# Altium PCB LimeSDR-Micro_1v0.PcbDoc (part 4 of 8) (continued)
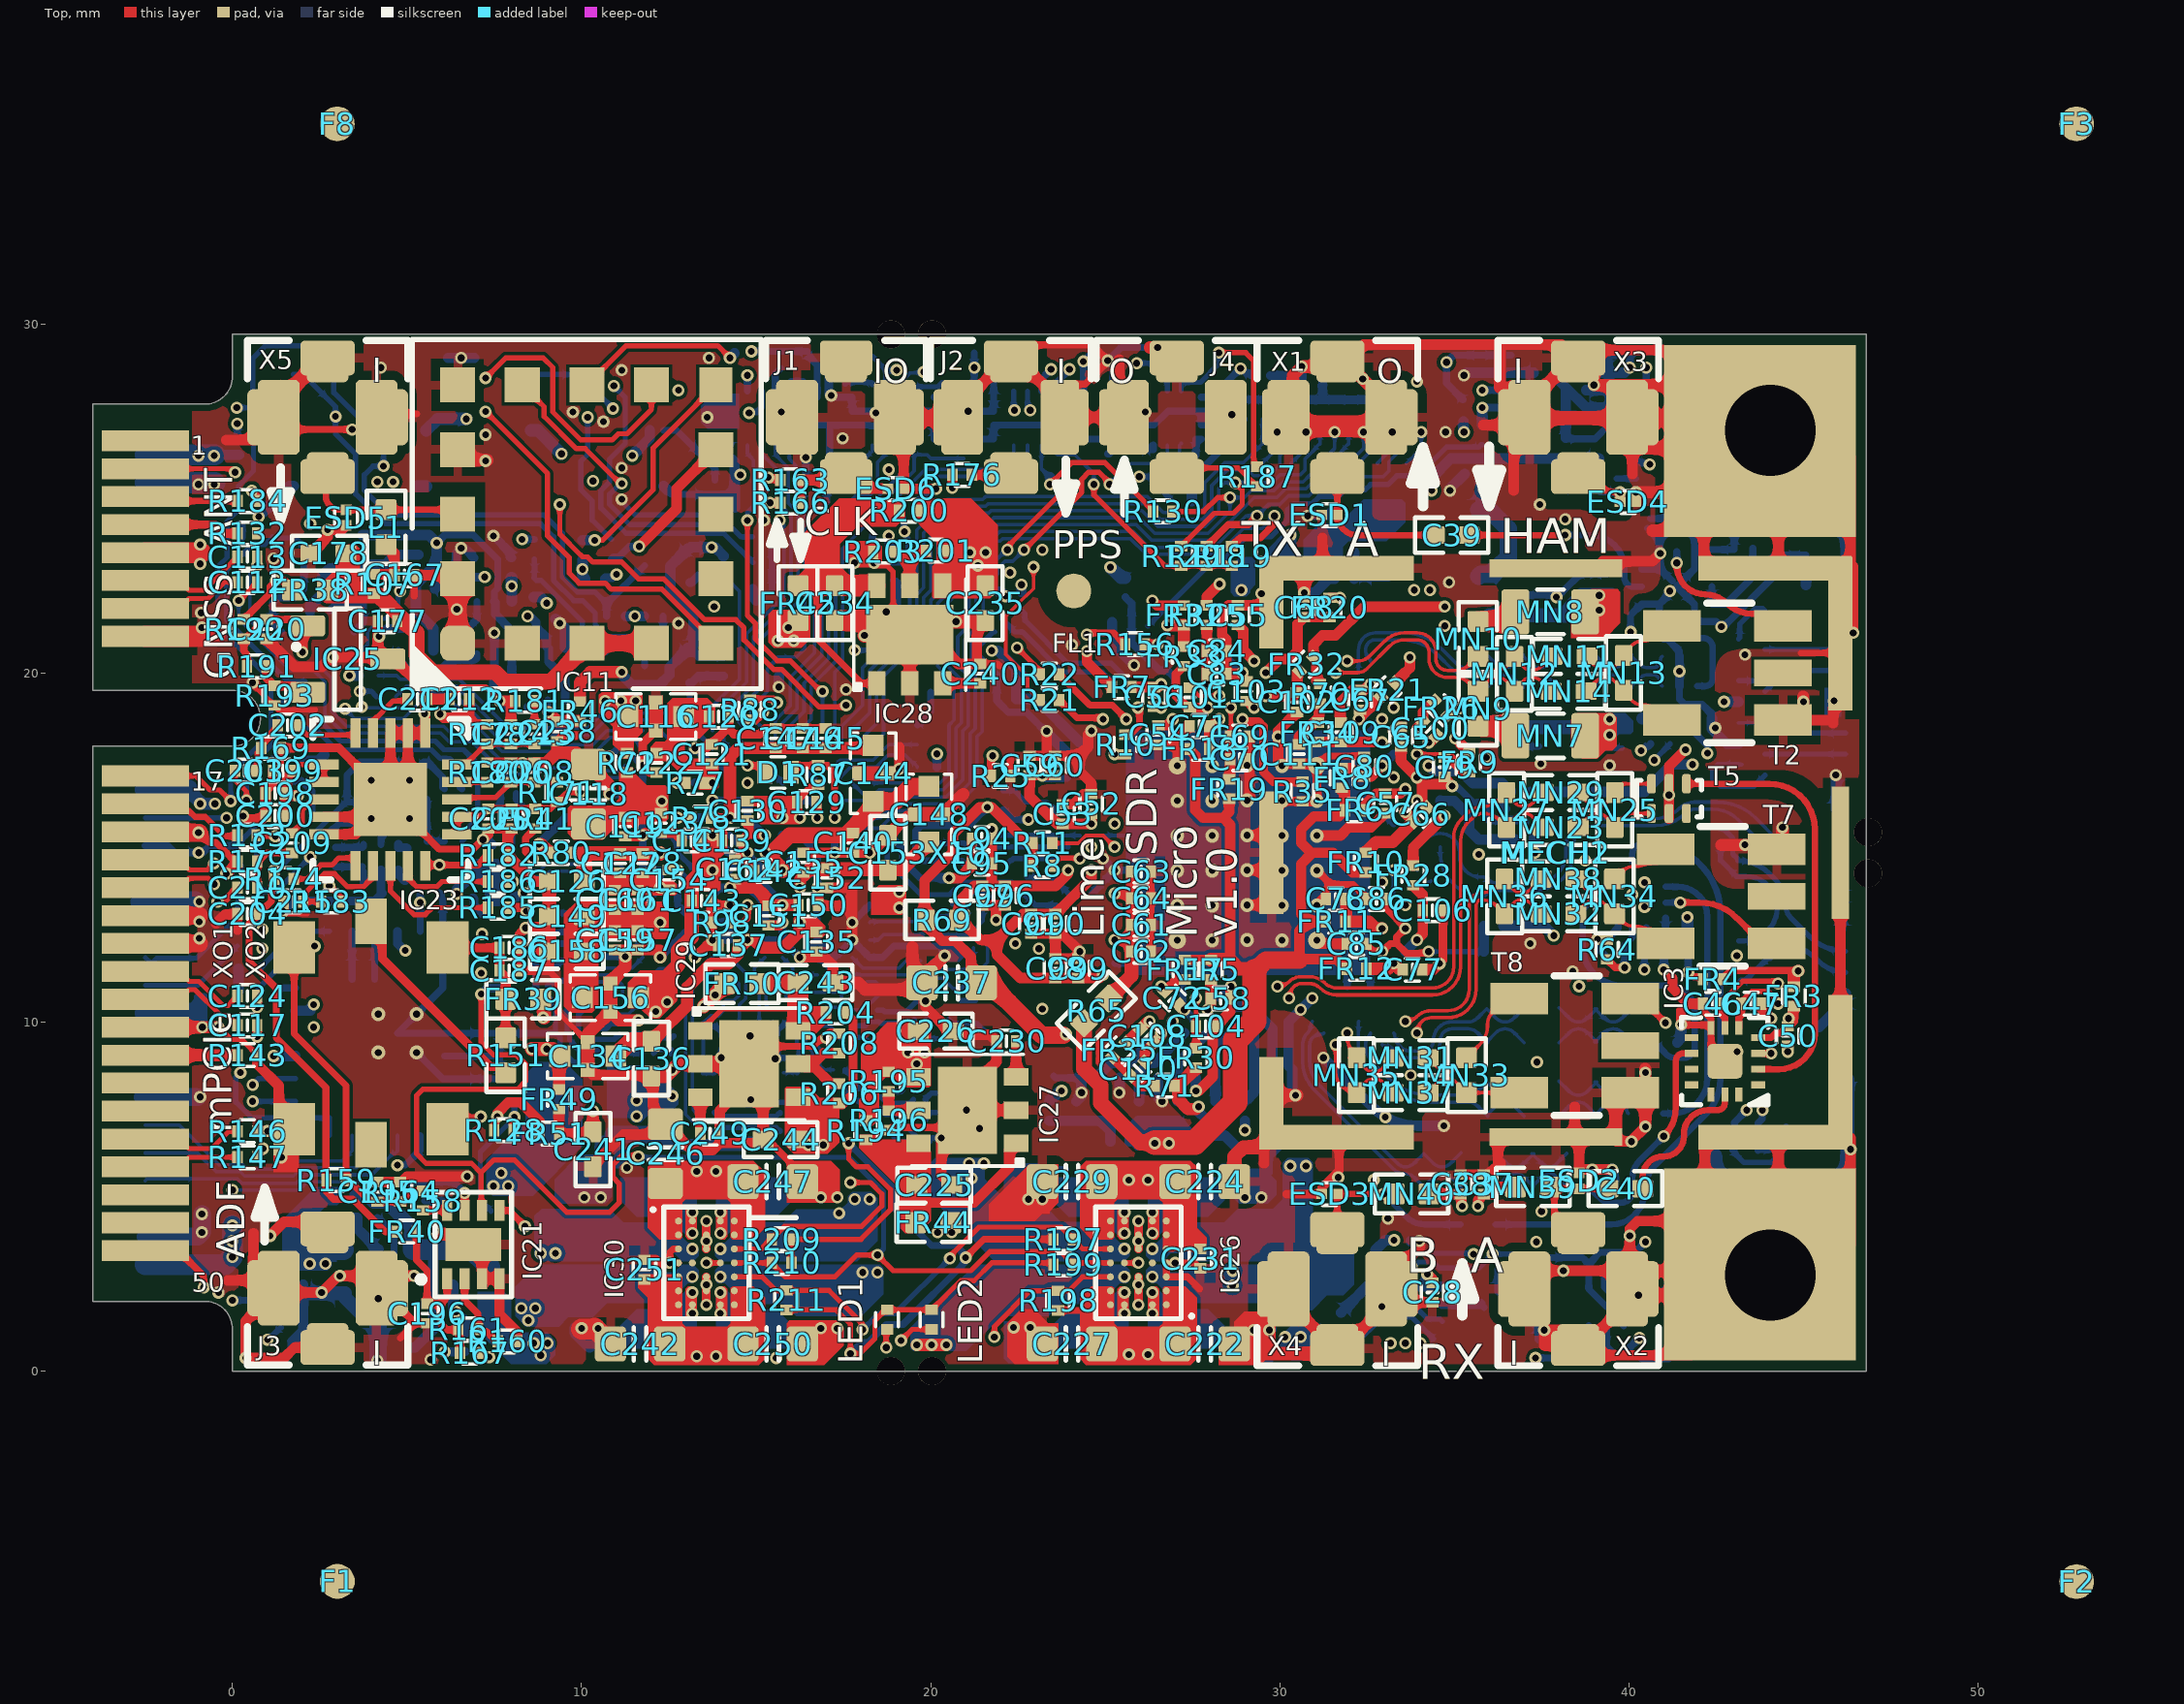
[diagram p0: Top view]
## Nets (pads, with @x,y where several pads share a name; then routed paths per layer and width w, separated by ;. In a path a pad name is that pad's centre, name@x,y a point inside that pad or via, vN(x,y) a via of type N, cw(c..) or ccw(c..) an arc to the next point about the centre after c; other vN are vias at no path point) (continued)
  Bottom w0.18: 39.65,25.57 R62.2@40.2,25.57
  Bottom w0.2: 2.634,15.296 2.867,15.53 2.899,15.53 3.059,15.69 3.23,15.69 C192.1@3.28,15.74 ; IC15.PAD@3.425,11.225 IC15.2@3.425,12.6 ; IC15.PAD@4.075,11.225 IC15.3@4.075,12.6 ; R192.2@4.15,4.4 4.625,3.925 IC24.PAD@4.625,2.671 ; v4(5.075,16.925) 5.075,16.997 5.43,17.352 5.43,17.4 C183.1@5.48,17.45 5.587,17.45 6.025,17.012 6.025,16.725 IC16.2@6.075,16.675 ; v3(5.275,9.125) 6.025,8.375 IC15.13@7.65,8.375 IC15.12@7.65,9.025 ; C194.2@5.5,4.875 R168.2@6.175,4.875 ; C181.2@5.935,13.705 5.985,13.655 5.985,13.553 6.025,13.513 IC15.6@6.025,12.6 6.025,10.975 IC15.PAD@4.725,9.675 IC15.11@7.65,9.675 IC15.12@7.65,9.025 ; IC15.PAD@6.075,9.025 IC15.12@7.65,9.025 ; IC15.11@7.725,9.675 9.25,9.675 ; v1(8.5,12.125) 8.69,11.935 R102.2@8.69,11.6 R101.2@8.69,11.05 8.69,10.915 8.862,10.742 8.998,10.742 9.25,10.49 ; R100.2@9.01,12.245 10.205,12.245 10.575,11.875 v1(11.251,11.875) ; R29.2@10.25,9.84 C9.2@10.7,9.84 10.835,9.975 11.55,9.975 v1(11.625,10.05) ; v1(10.8,16.525) 11.076,16.525 IC6.L1@11.251,16.35 IC6.M2@11.751,16.85 v1(11.751,17.35) ; v1(10.8,17.6) 11.05,17.85 IC6.P1@11.251,17.85 v1(11.751,17.35) ; IC6.E1@11.251,13.35 11.751,13.35 ; IC6.H1@11.251,14.85 IC6.H2@11.751,14.85 ; IC6.J2@11.734,15.35 v1(11.751,15.35) ; IC6.C2@11.751,12.35 v1(12.251,11.85) IC6.C4@12.751,12.35 ; IC6.C2@11.751,12.363 IC6.D2@11.751,12.85 11.751,13.35 ; IC6.K2@11.751,15.85 v1(11.751,15.35) ; 12.52,15.35 IC6.J3@12.251,15.35 v1(11.751,15.35) ; 12.575,15.35 12.725,15.2 12.875,15.35 IC6.J5@13.251,15.35 ; v1(13.251,11.85) IC6.C4@12.751,12.35 ; v1(13.751,12.35) IC6.C7@14.251,12.35 14.251,12.699 14.1,12.85 ; v1(13.751,16.35) IC6.L7@14.251,16.35 ; v1(14.251,13.35) 14.251,13.001 14.1,12.85 ; IC6.G7@14.251,14.35 v1(14.751,14.85) IC6.J7@14.251,15.35 ; IC6.F8@14.751,13.85 IC6.G9@15.251,14.35 ; IC6.C9@15.251,12.35 IC6.C10@15.751,12.35 ; IC6.E9@15.251,13.35 15.251,12.949 15.375,12.825 15.655,12.825 15.661,12.831 15.732,12.831 v1(15.751,12.85) IC6.C10@15.751,12.35 ; v1(15.251,15.35) IC6.K8@14.751,15.85 14.751,16.149 ; IC6.L9@15.251,16.35 14.952,16.35 14.751,16.149 ; IC6.G11@16.251,14.35 16.575,14.35 ; IC6.J11@16.251,15.35 IC6.H12@16.751,14.85 ; IC6.L11@16.251,16.35 16.525,16.35 16.732,16.143 16.732,15.869 v1(16.751,15.85) ; C172.1@16.425,25.57 v1(16.425,26.175) 16.425,26.2 16.525,26.3 IC8.16@16.525,26.7 ; v1@17.15,27.9 IC12.8@17.75,27.9 IC12.7@17.75,27.5 18.375,27.5 v1(18.425,27.45) ; IC6.J13@17.251,15.35 v1(17.251,14.85) ; v1@17.815,23.109 v1(17.815,23.15) ; IC6.E15@18.251,13.35 v1(17.751,12.85) v1(17.751,12.35) ; R15.1@20.3,14.125 R15.1@20.075,14.125 19.7,14.125 19.2,14.625 19.2,14.975 18.95,15.225 18.575,15.225 18.2,14.85 IC6.H14@17.751,14.85 v1(17.251,14.85) ; 20.45,12.175 18.95,12.175 18.625,11.85 IC6.B15@18.251,11.85 v1(17.751,12.35) ; v1(21.075,27.5) IC13.7@21.8,27.5 ; IC13.7@21.806,27.5 21.806,27.9 C166.2@21.805,29.175 ; C93.2@21.89,19.95 C92.2@21.89,19.25 21.89,19.21 22.1,19 22.1,18.992 22.217,18.875 22.74,18.875 v1@23.4,18.215 ; C232.1@22.925,5.775 23.875,5.775 ; 23.525,8.45 23.575,8.4 C73.2@24.315,8.4 ; IC1.AA31@24.604,13.68 v1(25.27,14.346) ; v1(24.937,14.679) v1(25.27,14.346) ; v2(25.075,26.275) 25.116,26.275 25.241,26.4 26.375,26.4 IC10.3@26.375,26.525 ; IC1.AG29@25.27,11.682 25.741,11.682 ; 25.925,14.35 25.274,14.35 v1(25.27,14.346) ; v1(26.15,27.475) 26.125,27.5 IC10.7@25.4,27.5 IC10.8@25.4,27.9 25.4,28.225 25.205,28.42 25.205,29.08 25.45,29.325 v1(26.5,29.325) 26.7,29.325 ; 27.226,11.674 27.226,10.498 27.24,10.485 27.24,10.379 v1(27.268,10.35) IC1.AM22@27.601,10.017 ; v2(27.6,26.225) 27.6,26.7 IC10.16@27.75,26.7 ; IC1.AK20@28.267,10.683 v1(28.6,11.016) 28.6,11.825 28.625,11.85 ; IC1.B20@28.267,20.007 28.6,20.34 v1(28.933,20.007) ; IC1.AJ9@31.931,11.016 31.931,11.487 ; 32.275,11.65 32.597,11.328 IC1.AJ7@32.597,11.016 ; 32.377,18.123 v1(32.93,18.675) ; v1(34.937,16.758) 34.966,16.729 35.096,16.729 35.54,16.285 C82.2@36,16.285 ; IC2.PAD@35.75,1.925 IC2.PAD@35.85,1.825 ; C30.1@36.775,17.895 C32.2@37.425,17.895 ; C29.1@36.8,22.23 C31.2@37.45,22.23 37.997,22.23 38.597,22.83 C34.1@38.725,22.83 C36.2@39.375,22.83 ; C42.2@38.165,26.705 39.03,26.705 39.425,27.1 IC14.4@39.425,27.6 IC14.3@39.425,28.1 IC14.2@39.425,28.6 IC14.1@39.425,29.1 40.025,29.1 v1(40.025,28.75) ; C48.2@39.319,11.91 39.1,12.129 v1(39.1,12.375) 39.378,12.375 IC4.7@39.7,12.697 IC4.EP@39.7,13.3 ; v1(40.05,21.175) 40.05,21.65 IC5.1@40.375,21.975 40.863,21.975 ; IC5.3@40.375,22.975 40.9,22.975 ; 40.53,24.145 40.875,23.8 ; 40.625,24.425 X10.0@41.113,24.425 ; IC5.12@40.875,21.372 v2(40.875,21.1) 41,20.975 41.1,20.975 41.451,20.624 T1.5@41.451,20.475 ; IC5.12@40.875,21.475 40.875,21.975 IC5.EP@41.2,22.3 ; IC5.4@40.875,23.475 40.875,23.8 ; 40.9,23.225 40.9,22.975 ; IC5.EP@41.245,22.63 40.9,22.975 ; X10.0@41.35,24.275 40.875,23.8 ; T1.2@41.451,19.625 41.451,19.249 41.6,19.1 42.1,19.1 42.375,18.825 R63.2@42.375,18.7 ; X10.0@41.875,23.963 IC5.6@41.875,23.535 ; v1(42.65,21.325) v1@42.575,21.4 ; X10.0@43.02,24.023 C43.2@43.02,23.535 IC5.6@41.875,23.535 ; C45.2@44.425,22.82 44.206,22.82 42.786,21.4 v1@42.575,21.4 ; 11.751,13.35 v1(12.251,13.85) ; IC6.H2@11.751,14.85 IC6.G2@11.751,14.35 IC6.G3@12.251,14.35 v1(12.251,13.85) ; IC6.H2@11.751,14.85 v1(11.751,15.35) ; v1(11.751,17.35) IC6.P3@12.251,17.85 IC6.N4@12.751,17.35 v1(13.251,17.85) IC6.N6@13.751,17.35 14,17.35 14.251,17.099 IC6.L7@14.251,16.35 ; v1(12.251,13.85) IC6.F4@12.751,13.85 IC6.E4@12.751,13.35 IC6.D5@13.251,12.85 ; IC6.C4@12.751,12.35 IC6.D5@13.251,12.85 ; IC6.D5@13.251,12.85 IC6.D6@13.751,12.85 14.1,12.85 ; IC6.L7@14.251,16.35 14.55,16.35 14.751,16.149 ; IC6.C10@15.751,12.35 v1(16.251,11.85) IC6.C12@16.751,12.35 ; 16.575,14.35 16.751,14.526 IC6.H12@16.751,14.85 ; 16.575,14.35 16.751,14.174 v1(16.751,13.85) IC6.E12@16.751,13.35 IC6.C12@16.751,12.35 ; IC6.C12@16.751,12.35 IC6.B13@17.251,11.85 v1(17.751,12.35) ; IC6.H12@16.751,14.85 v1(17.251,14.85) ; IC5.6@41.875,23.535 IC5.6@41.875,23.475 41.875,22.975 IC5.EP@41.375,22.475 41.875,21.975 IC5.10@41.875,21.475 42.5,21.475 v1@42.575,21.4
  Bottom w0.25: C138.2@1.265,17.478 1.29,17.503 1.29,17.515 v2(1.575,17.8) ; v1(1.45,13.175) 1.474,13.175 1.774,13.475 4.075,13.475 v2(4.287,13.688) ; v1(4.2,21.05) 4.425,21.275 5.05,21.275 5.249,21.076 IC17.2@5.25,20.65 ; v2@4.25,13.688 IC19.2@4.25,14.362 ; C185.1@6.38,23.175 6.405,23.2 6.405,23.43 v1(6.55,23.575) 6.569,23.556 6.674,23.556 6.875,23.355 6.875,23.33 6.9,23.305 C184.2@6.925,23.305 ; C207.2@6.875,13.545 6.9,13.545 6.925,13.52 6.925,13.349 7.174,13.1 7.304,13.1 ; v1(7.475,23.925) 7.95,23.45 7.95,23.33 7.975,23.305 C188.2@8,23.305 ; v1(7.5,21.15) IC18.2@7.5,20.55 7.5,19.78 7.47,19.75 C189.1@7.47,19.725 7.47,19.45 C190.2@7.895,19.025 ; C169.2@10.66,22.675 10.66,22.7 10.685,22.725 10.873,22.725 10.973,22.825 v1(11,22.825) ; v1@17.15,27.9 17.075,27.975 17.075,28.609 17.075,29.13 C164.2@17.03,29.175 C170.2@17.52,29.175 ; C175.2@29.73,28.525 30.625,28.525 v1(30.625,28.775) ; IC1.K4@33.596,17.343 v1(33.929,17.01) ; 36.475,16.1 36.29,16.285 C82.2@36,16.285 C107.2@36,15.785 36.965,15.785 37.025,15.725 ; v1@40.483,7 T6.2@40.483,7.38 T6.5@40.483,8.23 v1@40.483,8.6 ; v1(41,11.5) 41.003,11.503 41.003,11.847 C49.2@41.005,11.85 ; T1.2@41.451,19.625 T1.5@41.451,20.475
  Bottom w0.3: v1(-0.175,14.25) -0.166,14.25 0.026,14.442 0.169,14.442 R135.1@0.169,14.467 ; R144.2@0.167,11.533 0.167,10.908 0.17,10.906 R138.2@0.17,10.881 ; R81.2@0.225,23.905 v2(0.225,24.225) ; C221.1@1.72,0.675 1.72,0.845 2.025,1.15 C217.1@2.025,2.475 ; R84.1@2.22,21.775 2.22,21.921 2.605,22.306 R74.1@2.605,22.425 v2@2.605,22.775 ; C192.1@3.28,15.74 3.836,15.74 3.921,15.825 v4(3.975,15.825) ; IC7.2@3.75,22.95 3.9,23.1 4.385,23.1 4.65,23.365 4.65,23.39 C132.1@4.675,23.39 C133.2@5.325,23.39 ; v4@3.944,16.855 C182.2@4.5,16.855 v4@5.056,16.855 ; X6.6@6.175,29.025 v1(6.55,29.025) 6.925,29.025 ; C216.1@6.325,2.475 6.325,1.775 v1(6.4,1.7) 6.675,1.425 C176.2@6.675,1.11 ; v1(7.175,15.225) 7.28,15.225 R175.2@7.425,15.08 ; C191.1@9.255,21.55 9.525,21.28 IC20.2@9.525,20.725 ; 9.825,1.23 10.3,1.23 ; v1(15.65,19.598) R126.2@15.65,19.895 ; v1(16.85,4.975) v1(17.325,4.975) ; C197.1@19.623,24.823 20.065,25.265 20.14,25.265 v1(20.15,25.275) ; R15.1@20.3,14.125 v1(20.525,14.125) ; v1@23.4,18.215 IC1.J33@23.938,17.676 ; C81.1@24.175,7.73 24.315,7.87 C73.2@24.315,8.4 ; v1(25.075,28.95) v1@25.089,28.95 ; C89.2@25.195,21.45 25.195,20.855 v1(25.825,20.225) ; v1@25.415,8.007 C74.2@25.415,8.4 ; C75.2@26.515,8.4 26.515,7.835 v1(26.625,7.725) ; R125.2@27.48,24.925 v2(27.48,25.215) ; v1@27.595,8.007 C105.2@27.595,8.4 ; 28.375,5.8 C233.1@28.85,5.8 ; v1(28.625,27.4) 28.625,27.275 28.63,27.27 C163.1@28.925,27.27 ; C88.2@28.706,8.4 28.706,8.793 28.825,8.911 v2(28.825,8.925) ; C233.1@29.65,5.7 29.65,6.15 30.175,6.675 ; v1(30.45,7.9) 30.45,7.914 30.355,8.009 C76.2@30.355,8.4 30.355,8.645 30.25,8.75 30.25,10.002 v1(30.598,10.35) v1(30.932,10.683) ; C165.1@30.625,28.45 C165.1@30.625,28.525 ; v1(30.7,22.3) 31,22.3 31.4,22.7 R213.2@31.57,22.7 ; v1(30.8,24.5) 30.81,24.51 30.845,24.51 30.86,24.525 31.395,24.525 31.55,24.68 C255.2@31.575,24.68 ; v1(31.25,8.975) 32.67,7.555 ccw(c33.95,8.836) 33.95,7.025 v1(34.7,7.025) ; C239.2@32.03,0.7 32.03,0.741 32.925,1.636 v1(32.925,1.85) ; 33.75,3.725 v1(34,3.725) ; IC2.7@34.65,1.925 IC2.PAD@35.75,1.925 ; v1@34.847,25.252 C254.2@35.295,25.7 ; v1(35.275,28.525) 35.35,28.6 IC14.7@36.625,28.6 IC14.PAD@37.275,28.6 ; IC2.PAD@36.3,2.3 36.3,2.9 ; IC2.PAD@36.85,1.925 IC2.2@37.45,1.925 ; IC2.4@37.45,0.925 IC2.3@37.45,1.425 IC2.2@37.45,1.925 ; IC2.1@37.45,2.425 IC2.2@37.45,1.925 ; IC14.PAD@38.025,28.35 IC14.PAD@38.195,28.18 ; C42.2@38.195,26.735 IC14.PAD@38.195,28.18 ; IC14.PAD@38.775,28.1 IC14.3@39.425,28.1 ; IC14.PAD@38.775,28.6 IC14.2@39.425,28.6 39.875,28.6 v1(40.025,28.75) ; IC14.PAD@38.775,29.1 IC14.1@39.425,29.1 ; v1(38.95,5.775) v1(39.525,5.775) ; IC9.2@39.35,2.8 39.35,2.425 39.575,2.2 v1@40.25,2.2 ; IC14.4@39.425,27.6 38.775,27.6 IC14.PAD@38.195,28.18 ; 40.025,29.1 40.175,29.25 X10.0@41.15,29.25 ; v1@40.062,6.588 v1(40.475,7) ; v1(40.275,2.175) v1@40.25,2.2 ; C168.2@40.385,0.4 41.125,0.4 X10.0@41.425,0.7 ; T4.1@41.385,9.415 41.5,9.53 v1(41.5,9.925) ; X10.0@41.5,2.2 v1@40.25,2.2 ; R63.2@42.375,18.7 42.375,18.4 42.8,17.975 X13.12@43.142,17.975 ; v2(45.45,9.85) 45.825,10.225 X8.9@46.207,10.225 X8.7@46.207,10.825 ; X10.0@45.8,5.1 X10.0@46.207,5.507 ; X13.MP2@45.932,16.09 X13.15@45.932,17.075 ; X8.1@46.08,12.65 46.08,14.425 ; X13.1@46.207,21.275 X10.0@46.207,24.425
  Bottom w0.35: X10.18@-1.275,16.65 -0.875,16.25 v1(-0.5,16.25) ; 9.825,1.225 9.825,1.1 C253.1@10.225,0.7 ; C253.1@10.3,0.907 10.3,1.225 ; 10.676,5.975 11.1,5.975 C219.1@11.1,6.399 ; C218.1@12.175,6.9 12.175,6.85 12.25,6.775 12.3,6.775 12.6,6.475 14.525,6.475 ; 14.53,6.475 14.605,6.55 15.25,6.55 15.325,6.55 ; v1(16.85,4.975) C245.1@16.85,5.45 ; T3.1@39.525,5.26 v1(39.525,5.775) ; C51.2@41.675,12.63 v1(41.675,13)
  Bottom w0.4: C217.1@2.05,2.225 IC24.PAD@3.225,2.225 ; v2(2.625,22.775) 2.8,22.95 IC7.2@3.75,22.95 ; IC24.PAD@3.225,2.1 IC24.PAD@3.7,1.625 ; X10.0@42.475,5.715 42.475,6.175 ; X10.0@46.257,5.432 X8.15@46.257,8.35
  Bottom w0.5: X10.40@-2.575,7.85 X10.40@-2.5,7.85 v1@-1,7.85 ; X10.50@-2.5,3.85 -1,3.85 v1(-0.875,3.975) v1(-0.875,4.5) ; IC24.2@4.175,0.375 IC24.2@4.175,0.675 IC24.PAD@4.175,1.65 ; C248.1@10.625,5.2 C219.1@10.625,6.5 ; C219.1@10.9,6.775 C218.1@12.2,6.775
  Bottom w0.6: X10.26@-2.625,13.45 X10.26@-2.5,13.45 v1@-1.075,13.45 ; X10.34@-2.5,10.25 -1.075,10.25 ; X10.18@-2.5,16.65 X10.18@-1.275,16.65 ; X10.4@-2.5,25.45 v1@-0.5,25.45
  other v1: 4.15,0.3 5.675,0.325 29.25,1.175 29.7,1.175 10,1.225 10.475,1.225 16.85,1.225 17.325,1.225 22.375,1.25 22.85,1.25 35.35,2.1 -0.4,2.25 13.575,2.475 37.35,3.7 33.1,4.375 37.5,4.575 22.8,4.925 23.2,4.925 10.075,4.975 10.55,4.975 29,4.975 29.475,4.975 32.7,5.475 31.675,5.55 11.3,5.825 21.4,6.95 33.025,7.275 21.025,7.475 14.85,7.775 -0.925,7.85 24.325,7.975 25.4,7.975 27.6,8.025 33.75,8.475 37.367,8.85 15.55,8.95 14,8.975 43.1,9.15 14.825,9.6 38.392,11.45 43.092,11.9 37.175,12.25 -0.95,12.4 -0.95,12.875 40.45,13.3 -0.95,13.449 40.1,13.65 40.45,14 38.75,14.625 36.825,14.75 -0.975,15.425 0.3,15.9 -0.925,16.25 33.929,16.344 45.925,17.075 39.45,17.35 37.475,17.4 35.925,17.575 34.262,18.009 42.475,18.425 5.5,18.835 26.602,19.008 45.875,19.2 17.575,19.525 41.45,20.05 26.825,20.475 43.325,20.525 24.05,20.8 -0.875,21.3 34.725,21.35 9.375,21.425 12.775,21.425 -0.9,21.725 18.725,21.75 6.425,21.825 13.8,21.9 37.925,22.175 29.475,22.275 41.175,22.35 34.85,22.6 22.275,22.875 -0.925,23.125 18.375,23.15 1.175,23.275 -0.925,23.675 15.225,24.375 38.175,24.4 37.45,24.825 34.875,25.225 -0.975,25.399 -0.525,25.4 4.15,25.475 18.8,25.825 11.15,25.875 7.25,26.075 17.475,26.725 7.25,26.825 34.75,26.9 10.625,27.2 13.6,27.325 9.75,27.475 15.725,27.475 17.15,27.95 33.925,28.35 11.15,28.675 4.25,28.75 13.65,29.025
  other v2: 20.825,9.25 43.125,12.975 7.15,13 1.2,14.825 1.7,18.9 27.268,19.674 25.5,23.325 22.825,25.4
  other v3: 4.175,9.125 4.175,10.225 5.275,10.225 28.065,12.34 29.065,12.35 30.065,12.34 27.065,13.34 28.065,13.34 30.065,13.34 27.065,14.34 28.065,14.34 30.065,14.34 27.065,15.34 28.065,15.34 30.065,15.34 27.065,16.34 28.065,16.34 30.065,16.34 28.065,17.34 29.065,17.35
  other v4: 27.065,12.34 5.075,15.825
GNSS_1PPS: IC11.6 R173.1 | length 9.4
  Top w0.15: IC11.6@8.3,28.25 8.925,27.625 8.925,27.35 9.85,26.425 10.105,26.425 11.105,25.425 v1(11.15,25.425)
  Bottom w0.15: v1(11.15,25.425) 11.105,25.425 10.8,25.12 10.8,24.829 11.379,24.25 14.225,24.25 14.575,23.9 R173.1@14.9,23.9
GNSS_ANT: ESD5.1 IC11.3 L1.1 X5.1 | length 4.6
  Top w0.18: X5.1@2.675,25.625 2.675,25.062 ccw(c3.062,25.062) 3.062,24.675 ESD5.1@3.25,24.675 L1.1@4.4,24.675 6.325,24.675 cw(c6.325,24.55) IC11.3@6.45,24.55
GNSS_FIX: IC11.13 IC15.21 | length 42.4
  Top w0.15: v1(7.25,27.487) 9.025,25.712 9.025,23.925 9.65,23.3 9.65,22.855 9.93,22.575 10.675,22.575 10.85,22.4 12.3,22.4 IC11.13@13.85,20.85
  L4 w0.1: v1(0.225,8.55) 1.03,9.355 1.03,10.895 0.53,11.395 0.53,13.23 1.325,14.025 1.33,14.025 1.525,14.22 1.525,14.51 3.025,16.01 3.025,16.875 4.025,17.875 4.025,19.809 3.2,20.634 3.2,21.35 1.975,22.575 1.975,22.95 1.3,23.625 1.3,26.217 2.808,27.725 7.012,27.725 v1(7.25,27.487)
  Bottom w0.15: v1(0.225,8.55) 0.1,8.425 0.1,7.705 0.555,7.25 2.775,7.25 IC15.21@2.775,6.75
GNSS_HW_R: C171.1 IC11.7 | length 4.9
  Top w0.15: IC11.7@10.15,28.25 11.275,29.375 13.9,29.375 v1(14.25,29.025)
  Bottom w0.3: v1(14.25,29.025) C171.1@14.38,29.155
GNSS_HW_S: C176.1 IC11.8 | length 55.8
  Top w0.15: v1(7.25,28.45) 7.825,29.025 8.9,29.025 9.175,28.75 9.175,27.48 9.98,26.675 10.873,26.675 11.051,26.853 11.303,26.853 12,27.55 IC11.8@12,28.25
  L4 w0.1: v1(6.075,0.55) 5.1,1.525 1.975,1.525 0.975,2.525 -0.22,2.525 -0.415,2.725 -0.867,2.725 -2.475,4.333 -2.475,16.675 -1.675,17.475 0.6,17.475 1.425,18.3 1.425,19.633 0.758,20.3 -1.225,20.3 -1.975,21.05 -1.975,25.892 -1.067,26.8 0.275,26.8 1.8,28.325 6,28.325 6.125,28.45 v1(7.25,28.45)
  Bottom w0.25: v1(6.075,0.55) C176.1@6.675,0.55
GNSS_RXD: C170.1 FR37.1 IC12.10 | length 15.6
  L4 w0.1: v1(10.175,27.325) 10.75,27.9 11.331,27.9 11.656,27.575 12.825,27.575 12.875,27.625 13.375,28.125 14.942,28.125 15.492,28.675 16.483,28.675 16.683,28.875 17.842,28.875 18.042,28.675 18.125,28.675 v1(19.025,28.675) ; v1@19.045,28.695 v1@19.075,28.725
  Bottom w0.15: v1(10.175,27.325) 10.175,26.263 9.975,26.063 9.975,25.25 10.3,24.925 10.3,24.38 FR37.1@10.85,23.83 ; C170.1@18.08,29.175 18.08,29.15 18.155,29.075 18.325,29.075 18.725,28.675 ; IC12.10@18.725,28.075 18.725,28.675 ; v1(19.025,28.675) 18.725,28.675
GNSS_RXD_LS: IC6.P9 IC12.3 | length 10.3
  Bottom w0.1: IC6.P9@15.251,17.85 15.551,18.15 15.551,18.64 15.975,19.064 15.975,19.875 16.675,20.575 16.675,23.9 17.862,25.087 18.255,25.087 18.475,25.308 18.475,26.035 18.675,26.235 18.675,26.475 IC12.3@18.725,26.525
GNSS_TXD: C169.1 FR36.1 IC12.11 | length 19.9
  L6 w0.1: v1(10.025,22.975) 8.85,24.15 8.85,27.675 9.525,28.35 10.083,28.35 10.933,29.2 12.733,29.2 13.758,28.175 14.975,28.175 15.225,28.425 15.225,28.717 15.708,29.2 18.025,29.2 18.875,28.35 19.515,28.35 19.79,28.625 v1(19.8,28.625)
  Bottom w0.1: IC12.11@19.125,28.075 19.125,28.312 19.413,28.6 v1@19.85,28.6
  Bottom w0.3: FR36.1@10.025,23.245 10.025,22.775 10.1,22.7 C169.1@10.1,22.675
GNSS_TXD_LS: IC6.P10 IC12.2 | length 10.3
  Bottom w0.1: IC6.P10@15.751,17.85 15.751,18.067 15.751,18.557 16.175,18.981 16.175,19.792 16.875,20.492 16.875,23.817 17.945,24.887 18.337,24.887 19.125,25.675 IC12.2@19.125,26.525
LA_CFG_BOOT_HO: IC6.R14 R112.2 R122.1 | length 19.9
  Bottom w0.1: IC6.R14@17.751,18.35 18.25,18.849 18.25,20.066 19.6,21.416 19.6,22.242 19.8,22.442 19.8,24.017 20.558,24.775 21.576,24.775 21.651,24.85 21.658,24.85 26.132,24.85 26.582,24.4 27.783,24.4 28.05,24.667 28.05,25.367 28.508,25.825 29.075,25.825 29.25,25.65 29.692,25.65 30,25.958 30,26.23 30.2,26.43 30.2,26.455 30.3,26.555 R122.1@30.325,26.555 R112.2@30.325,27.27
LA_CFG_BOOT_SRC0: IC6.M14 R110.2 R118.1 R120.1 X6.5 | length 54.7
  Top w0.2: R118.1@27.9,23.63 27.905,23.63 28.525,24.25 29.1,24.25 v1(29.35,24.5)
  L3 w0.1: v1(6.7,27.275) 6.7,26.825 7.05,26.475 7.45,26.475 8.325,25.6 9.425,25.6 9.85,25.175 10.46,25.175 10.65,25.365 10.65,25.885 11.74,26.975 16.45,26.975 18.625,24.8 27.775,24.8 28.075,24.5 v1(29.35,24.5)
  Bottom w0.1: IC6.M14@17.751,16.85 18.051,16.55 18.417,16.55 18.517,16.65 20.35,16.65 20.725,17.025 20.725,18.424 20.875,18.574 20.875,19.8 20.4,20.275 20.4,21.911 20.6,22.111 20.6,23.686 20.889,23.975 21.908,23.975 21.983,24.05 21.989,24.05 25.8,24.05 26.25,23.6 28.125,23.6 29.025,24.5 v1(29.35,24.5) 29.675,24.825 29.998,24.825 30.248,25.075 30.837,25.075 31.037,25.275 31.075,25.275 31.575,25.275 31.775,25.475 32.275,25.475 32.425,25.625 32.967,25.625 33.125,25.783 33.125,26.055 R120.1@33.625,26.555 R110.2@33.625,27.27
  Bottom w0.35: X6.5@5.55,26.95 5.875,27.275 v1(6.7,27.275)
LA_CFG_BOOT_SRC1: IC6.P15 R111.2 R121.1 R130.1 | length 23
  Top w0.15: R130.1@26.93,24.625 27.816,24.625 28.216,25.025 v1(28.575,25.025)
  Bottom w0.1: IC6.P15@18.251,17.85 18.65,18.249 18.65,19.9 20,21.25 20,22.076 20.2,22.276 20.2,23.851 20.724,24.375 21.742,24.375 21.817,24.45 21.824,24.45 25.966,24.45 26.416,24 27.95,24 28.575,24.625 v1(28.575,25.025) 28.984,25.025 29.184,25.225 29.833,25.225 30.083,25.475 30.671,25.475 30.871,25.675 30.909,25.675 31.375,25.675 31.525,25.825 31.525,26.105 31.85,26.43 31.85,26.455 31.95,26.555 R121.1@31.975,26.555 R111.2@31.975,27.27
LA_CFG_PCIE_GEN: IC6.P13 R117.2 R127.1 | length 19.6
  Bottom w0.1: IC6.P13@17.251,17.85 17.451,18.05 17.451,18.474 18.05,19.073 18.05,20.149 19.4,21.499 19.4,22.325 19.6,22.525 19.6,24.1 20.475,24.975 21.493,24.975 21.568,25.05 21.575,25.05 26.215,25.05 26.665,24.6 27.7,24.6 27.85,24.75 27.85,25.45 28.425,26.025 28.961,26.025 29.491,26.555 R127.1@29.5,26.555 R117.2@29.5,27.27
LA_CFG_RST_HNDSHK: IC6.P14 R113.2 R123.1 R129.1 | length 23.9
  Top w0.15: R129.1@27.175,23.63 28.12,24.575 28.675,24.575 28.925,24.825 28.925,25.25 v1(28.725,25.45)
  Bottom w0.1: IC6.P14@17.751,17.85 18.45,18.549 18.45,19.983 19.8,21.333 19.8,22.159 20,22.359 20,23.934 20.641,24.575 21.659,24.575 21.734,24.65 21.741,24.65 26.049,24.65 26.499,24.2 27.866,24.2 28.25,24.584 28.25,25.284 28.416,25.45 v1(28.725,25.45) 29.775,25.45 30,25.675 30.588,25.675 30.725,25.812 30.725,26.13 31.025,26.43 31.025,26.455 31.125,26.555 R123.1@31.15,26.555 R113.2@31.15,27.27
LA_CFG_TEST_PORT_DIS: IC6.M15 R114.2 R124.1 | length 24.2
  Bottom w0.1: IC6.M15@18.251,16.85 20.267,16.85 20.525,17.108 20.525,18.506 20.675,18.656 20.675,19.717 20.2,20.192 20.2,21.994 20.4,22.194 20.4,23.769 20.806,24.175 21.825,24.175 21.9,24.25 21.906,24.25 25.883,24.25 26.333,23.8 28.042,23.8 29.267,25.025 29.916,25.025 30.166,25.275 30.754,25.275 30.954,25.475 30.992,25.475 31.492,25.475 31.692,25.675 32.192,25.675 32.3,25.783 32.3,26.055 32.675,26.43 32.675,26.455 32.775,26.555 R124.1@32.8,26.555 R114.2@32.8,27.27
LA_DCS_CLK_N: IC6.F2 R82.2 | length 5.2
  Bottom w0.1: R82.2@8.275,15.67 8.05,15.445 8.05,14.765 8.465,14.35 8.81,14.35 8.985,14.525 11.076,14.525 IC6.F2@11.751,13.85
LA_DCS_CLK_P: IC6.F1 R79.2 | length 5
  Bottom w0.1: R79.2@7.625,15.67 7.85,15.445 7.85,14.683 8.383,14.15 8.925,14.15 9.1,14.325 10.776,14.325 IC6.F1@11.251,13.85
LA_GPIO_05: IC6.L13 R119.1 | length 22.5
  Top w0.2: R119.1@28.625,23.63 28.87,23.875 29.45,23.875 29.85,24.275 v1(29.85,24.5)
  Bottom w0.1: IC6.L13@17.251,16.35 18.5,16.35 18.6,16.45 20.433,16.45 20.925,16.942 20.925,18.341 21.075,18.491 21.075,19.917 20.775,20.217 20.775,21.043 21.1,21.368 21.1,22.515 20.8,22.815 20.8,23.603 20.972,23.775 21.99,23.775 22.065,23.85 22.072,23.85 25.717,23.85 26.167,23.4 28.225,23.4 28.75,23.925 28.962,24.138 29.487,24.138 v1(29.85,24.5)
LA_GPIO_06: IC6.K15 R131.1 | length 13.3
  Top w0.15: v1(22.2,23.525) 22.2,23.625 v1(23.975,25.4)
  Bottom w0.1: IC6.K15@18.251,15.85 18.567,15.85 18.967,16.25 20.516,16.25 21.125,16.859 21.125,18.258 21.275,18.408 21.275,20 20.975,20.3 20.975,20.96 21.3,21.285 21.3,22.508 21.725,22.933 21.725,23.083 22.108,23.465 v1@22.2,23.465
LA_HRESET: D1.A IC6.K13 R87.2 R88.2 | length 7.2
  Top w0.2: D1.A@15.925,17.35 17.05,17.35 17.251,17.149 v1(17.251,15.85)
  Top w0.25: R88.2@14.825,18.67 14.995,18.67 v1(15.2,18.875)
  L3 w0.1: v1(15.2,18.875) 15.425,18.875 17.251,17.049 v1(17.251,15.85)
LA_I2C_SCL: IC9.1 IC9.4 IC14.6 IC15.8 IC21.5 IC26.E5 IC30.E5 R26.1 R140.2 R142.2 R197.2 R211.2 VT1.D X6.1 | length 151.1
  Top w0.15: IC30.E5@14.375,2.7 15.175,2.7 15.563,2.312 R211.2@15.863,2.312 17.086,2.312 18.05,1.349 v1(18.05,1.187) ; v1(20.55,3.225) 20.55,3.295 21.38,4.125 23.737,4.125 23.987,3.875 24,3.875 24.075,3.8 R197.2@24.075,3.775 24.35,3.5 IC26.E5@25.15,3.5
  Top w0.2: IC21.5@7.65,4.6 7.925,4.6 v1(8.375,4.15)
  L3 w0.1: v1(7.125,11.4) 6.787,11.063 6.787,9.462 8.55,7.7 8.55,5.675 8.375,5.5 v1(8.375,4.15)
  L4 w0.1: v1(2.95,27.35) 1.5,25.9 1.5,23.708 2.175,23.033 2.175,22.658 3.4,21.433 3.4,20.717 4.225,19.892 4.225,17.792 3.225,16.792 3.225,15.725 v1(2.225,14.725) 2.225,13.925 2.6,13.55 3.175,13.55 4.65,15.025 6.15,15.025 6.45,14.725 6.45,14.283 5.975,13.808 5.975,13.461 6.45,12.986 6.45,12.075 v1(7.125,11.4) ; v1(20.55,3.225) 20.9,2.875 21.275,2.875 21.65,3.25 22.725,3.25 23.85,4.375 23.85,5.206 24.619,5.975 26.425,5.975 27.35,5.05 27.35,1.6 28.475,0.475 36.825,0.475 37.1,0.75 38.775,0.75 39.95,1.925 39.95,3.175 v1(40.475,3.7)
  L6 w0.1: v1(8.375,4.15) 8.983,4.15 12.183,0.95 15.375,0.95 16.3,1.875 17.362,1.875 v1(18.05,1.187) ; v1(35.8,28.1) 36.125,27.775 36.125,27.558 39.475,24.208 39.475,23.316 40.766,22.025 42.042,22.025 42.692,22.675 43.708,22.675 44.508,23.475 45.625,23.475 46.025,23.075 46.025,19.975 46.45,19.55 46.45,16.75 46.025,16.325 46.025,13.308 46.375,12.958 46.375,7.65 45.7,6.975 45.7,6.508 45.142,5.95 40.938,5.95 40.475,5.487 v1(40.475,3.7)
  Bottom w0.15: R142.2@0.73,13.75 1.25,13.75 v1(2.225,14.725) ; X6.1@1.75,28.55 2.025,28.55 2.95,27.625 v1(2.95,27.35) 2.95,26.85 3.525,26.275 3.525,25.129 4.379,24.275 6.461,24.275 7.639,24.275 8.825,24.275 9.2,23.9 9.2,22.649 9.774,22.075 10.025,22.075 10.39,21.71 10.39,21.378 10.718,21.05 11.475,21.05 11.805,20.72 ; v1(18.05,1.187) 18.513,1.65 18.975,1.65 v1(20.55,3.225)
  Bottom w0.2: VT1.D@11.805,20.2 11.805,20.72 12.335,21.25 R140.2@12.335,21.625 ; v1(35.8,28.1) IC14.6@36.625,28.1 ; R26.1@37.755,3.25 38.675,3.25 IC9.1@38.85,3.075 ; IC9.4@39.85,1.3 39.81,1.34 39.81,1.615 39.575,1.85 39.35,1.85 38.85,2.35 IC9.1@38.85,2.8 IC9.1@38.85,3.075 ; v1(40.475,3.7) 40.175,3.4 39.175,3.4 IC9.1@38.85,3.075
LA_I2C_SCL_LS: IC6.P6 R141.2 VT1.S | length 3.3
  Bottom w0.1: 13.824,19.913 13.849,19.913 R141.2@13.949,19.813
  Bottom w0.15: VT1.S@13.095,19.71 13.095,18.506 IC6.P6@13.751,17.85
  Bottom w0.25: VT1.S@13.095,19.71 13.145,19.71 13.348,19.913 13.824,19.913 ; 13.849,19.913 R141.2@14.074,19.913
LA_I2C_SDA: IC9.6 IC14.5 IC15.9 IC21.6 IC26.D5 IC30.D5 R30.1 R139.2 R149.2 R199.2 R210.2 VT2.D X6.2 | length 192.9
  Top w0.15: 7.125,5.67 7.125,4.625 IC21.6@7.15,4.6 ; v1(7.125,10.8) 7.125,9.411 7.481,9.055 8.128,9.055 8.4,8.783 8.4,8.312 8.161,8.073 5.447,8.073 5.275,7.9 5.275,6.225 5.55,5.95 6.845,5.95 7.116,5.679 7.488,6.05 8.075,6.05 9.575,4.55 10.8,4.55 11.075,4.825 11.075,5.375 10.9,5.55 10.9,5.92 11.155,6.175 11.337,6.175 v1@11.625,6.175 ; IC30.D5@14.375,3.1 R210.2@15.45,3.1 15.45,3.075 15.525,3 15.538,3 15.838,2.7 17.25,2.7 17.875,3.325 v1(18.475,3.325) 18.925,2.875 21.15,2.875 21.7,3.425 23.712,3.425 23.987,3.15 24,3.15 R199.2@24.075,3.075 ; R199.2@23.987,3 24,3 R199.2@24.062,3.062 ; R199.2@24.075,3.05 R199.2@24.075,3.075 ; IC26.D5@25.15,3.1 24.075,3.1 R199.2@24.075,3.075
  L3 w0.1: v1(23.2,10.375) 22.825,10 22.825,7.425 23.75,6.5 25.825,6.5 26.15,6.175 26.7,6.175 27.6,5.275 27.6,2.775 28.425,1.95 28.95,1.95 29.125,2.125 29.125,3.3 28.6,3.825 28.6,5.4 29.9,6.7 33.85,6.7 34.8,5.75 34.8,4.5 35.13,4.17 35.13,3.175 36.305,2 39.745,2 40.65,1.095 40.65,0.805 40.445,0.6 37.55,0.6 v1(37.325,0.375)
  L4 w0.1: v1(0.855,12.106) 1.161,11.8 2.775,11.8 5.6,14.625 5.6,14.635 5.79,14.825 6.067,14.825 6.25,14.642 6.25,14.365 5.775,13.89 5.775,13.379 6.25,12.904 6.25,11.675 v1(7.125,10.8) 7.475,11.15 7.475,11.55 6.825,12.2 6.825,15.775 4.625,17.975 4.625,20.058 3.8,20.883 3.8,21.599 2.575,22.824 2.575,23.199 1.9,23.874 1.9,24.542 2.608,25.25 3.375,25.25 4.05,25.925 v1(4.325,25.925)
  L6 w0.1: v1(11.625,6.15) 11.625,5.75 12.15,5.225 15.95,5.225 16.328,5.603 17.4,5.603 17.525,5.728 18.128,5.728 18.425,6.025 19.675,6.025 19.95,6.3 19.95,7.76 19.335,8.375 18.865,8.375 18.6,8.64 18.6,8.917 19.133,9.45 20.375,9.45 20.909,9.984 21.117,9.984 21.297,10.164 21.783,10.164 21.994,10.375 v1(23.2,10.375) ; v1(35.8,27.6) 39.275,24.125 39.275,23.233 40.683,21.825 42.125,21.825 42.775,22.475 43.791,22.475 44.591,23.275 45.529,23.275 45.825,22.979 45.825,19.892 46.25,19.467 46.25,16.833 45.825,16.408 45.825,13.225 46.175,12.875 46.175,7.733 45.5,7.058 45.5,6.59 45.06,6.15 40.855,6.15 40.275,5.57 40.275,4.775 39.3,3.8 39.3,2.35 v1(37.325,0.375)
  Bottom w0.15: X6.2@1.75,26.95 1.425,26.95 0.575,27.8 0.575,29.007 0.943,29.375 2.557,29.375 2.9,29.032 2.9,28.029 4.325,26.604 v1(4.325,25.925) 4.025,25.925 3.775,25.675 3.775,25.232 4.482,24.525 6.357,24.525 7.743,24.525 8.929,24.525 9.45,24.004 9.45,22.753 9.878,22.325 10.375,22.325 10.715,21.985 ; v1@11.625,6.125 17.661,6.125 18.65,5.136 18.65,3.5 v1(18.475,3.325)
  Bottom w0.2: R149.2@10.715,21.625 10.715,21.985 VT2.D@11.805,23.075 ; v1(35.8,27.6) IC14.5@36.625,27.6 ; v1(37.325,0.375) 38.1,0.375 38.775,1.05 38.8,1.05 38.85,1.1 IC9.6@38.85,1.3
  Bottom w0.25: v1(7.125,10.8) 7.3,10.975 IC15.9@7.65,10.975
  Bottom w0.3: R30.1@35.8,27.105 v1(35.8,27.6)
LA_I2C_SDA_LS: IC6.R6 R148.2 VT2.S | length 6
  Bottom w0.1: IC6.R6@13.751,18.35 13.751,19.049 14.525,19.824 14.525,22.336 R148.2@14.074,22.788
  Bottom w0.25: VT2.S@13.095,22.585 13.145,22.585 13.348,22.788 R148.2@14.074,22.788
LA_LED1: IC13.9 R137.2 | length 45.4
  L6 w0.1: v1(22.4,27.525) 22.4,27.535 22.715,27.85 22.985,27.85 24.002,26.833 28.75,26.833 30.083,25.5 31.15,25.5 31.75,24.9 36.35,24.9 37.975,23.275 38.95,23.275 40.6,21.625 42.208,21.625 42.758,22.175 43.817,22.175 44.717,23.075 45.4,23.075 45.625,22.85 45.625,19.647 45.525,19.547 45.525,13.121 45.975,12.671 45.975,7.965 45.335,7.325 44.009,7.325 43.859,7.475 v1(43.825,7.475)
  Bottom w0.15: IC13.9@22.375,28.075 22.375,27.575 v1@22.425,27.525
  Bottom w0.2: R137.2@43.7,6.88 43.7,7.1 43.825,7.225 v1(43.825,7.475)
LA_LED1_LS: IC6.R11 IC13.4 | length 12.2
  Bottom w0.1: IC6.R11@16.251,18.35 16.575,18.674 16.575,19.626 17.275,20.326 17.275,23.651 18.111,24.487 18.503,24.487 19.846,25.83 21.955,25.83 22.325,26.2 22.325,26.25 22.375,26.25 IC13.4@22.375,26.525